# KiCad board frontpanel_dev_adapter.kicad_pcb (continued)
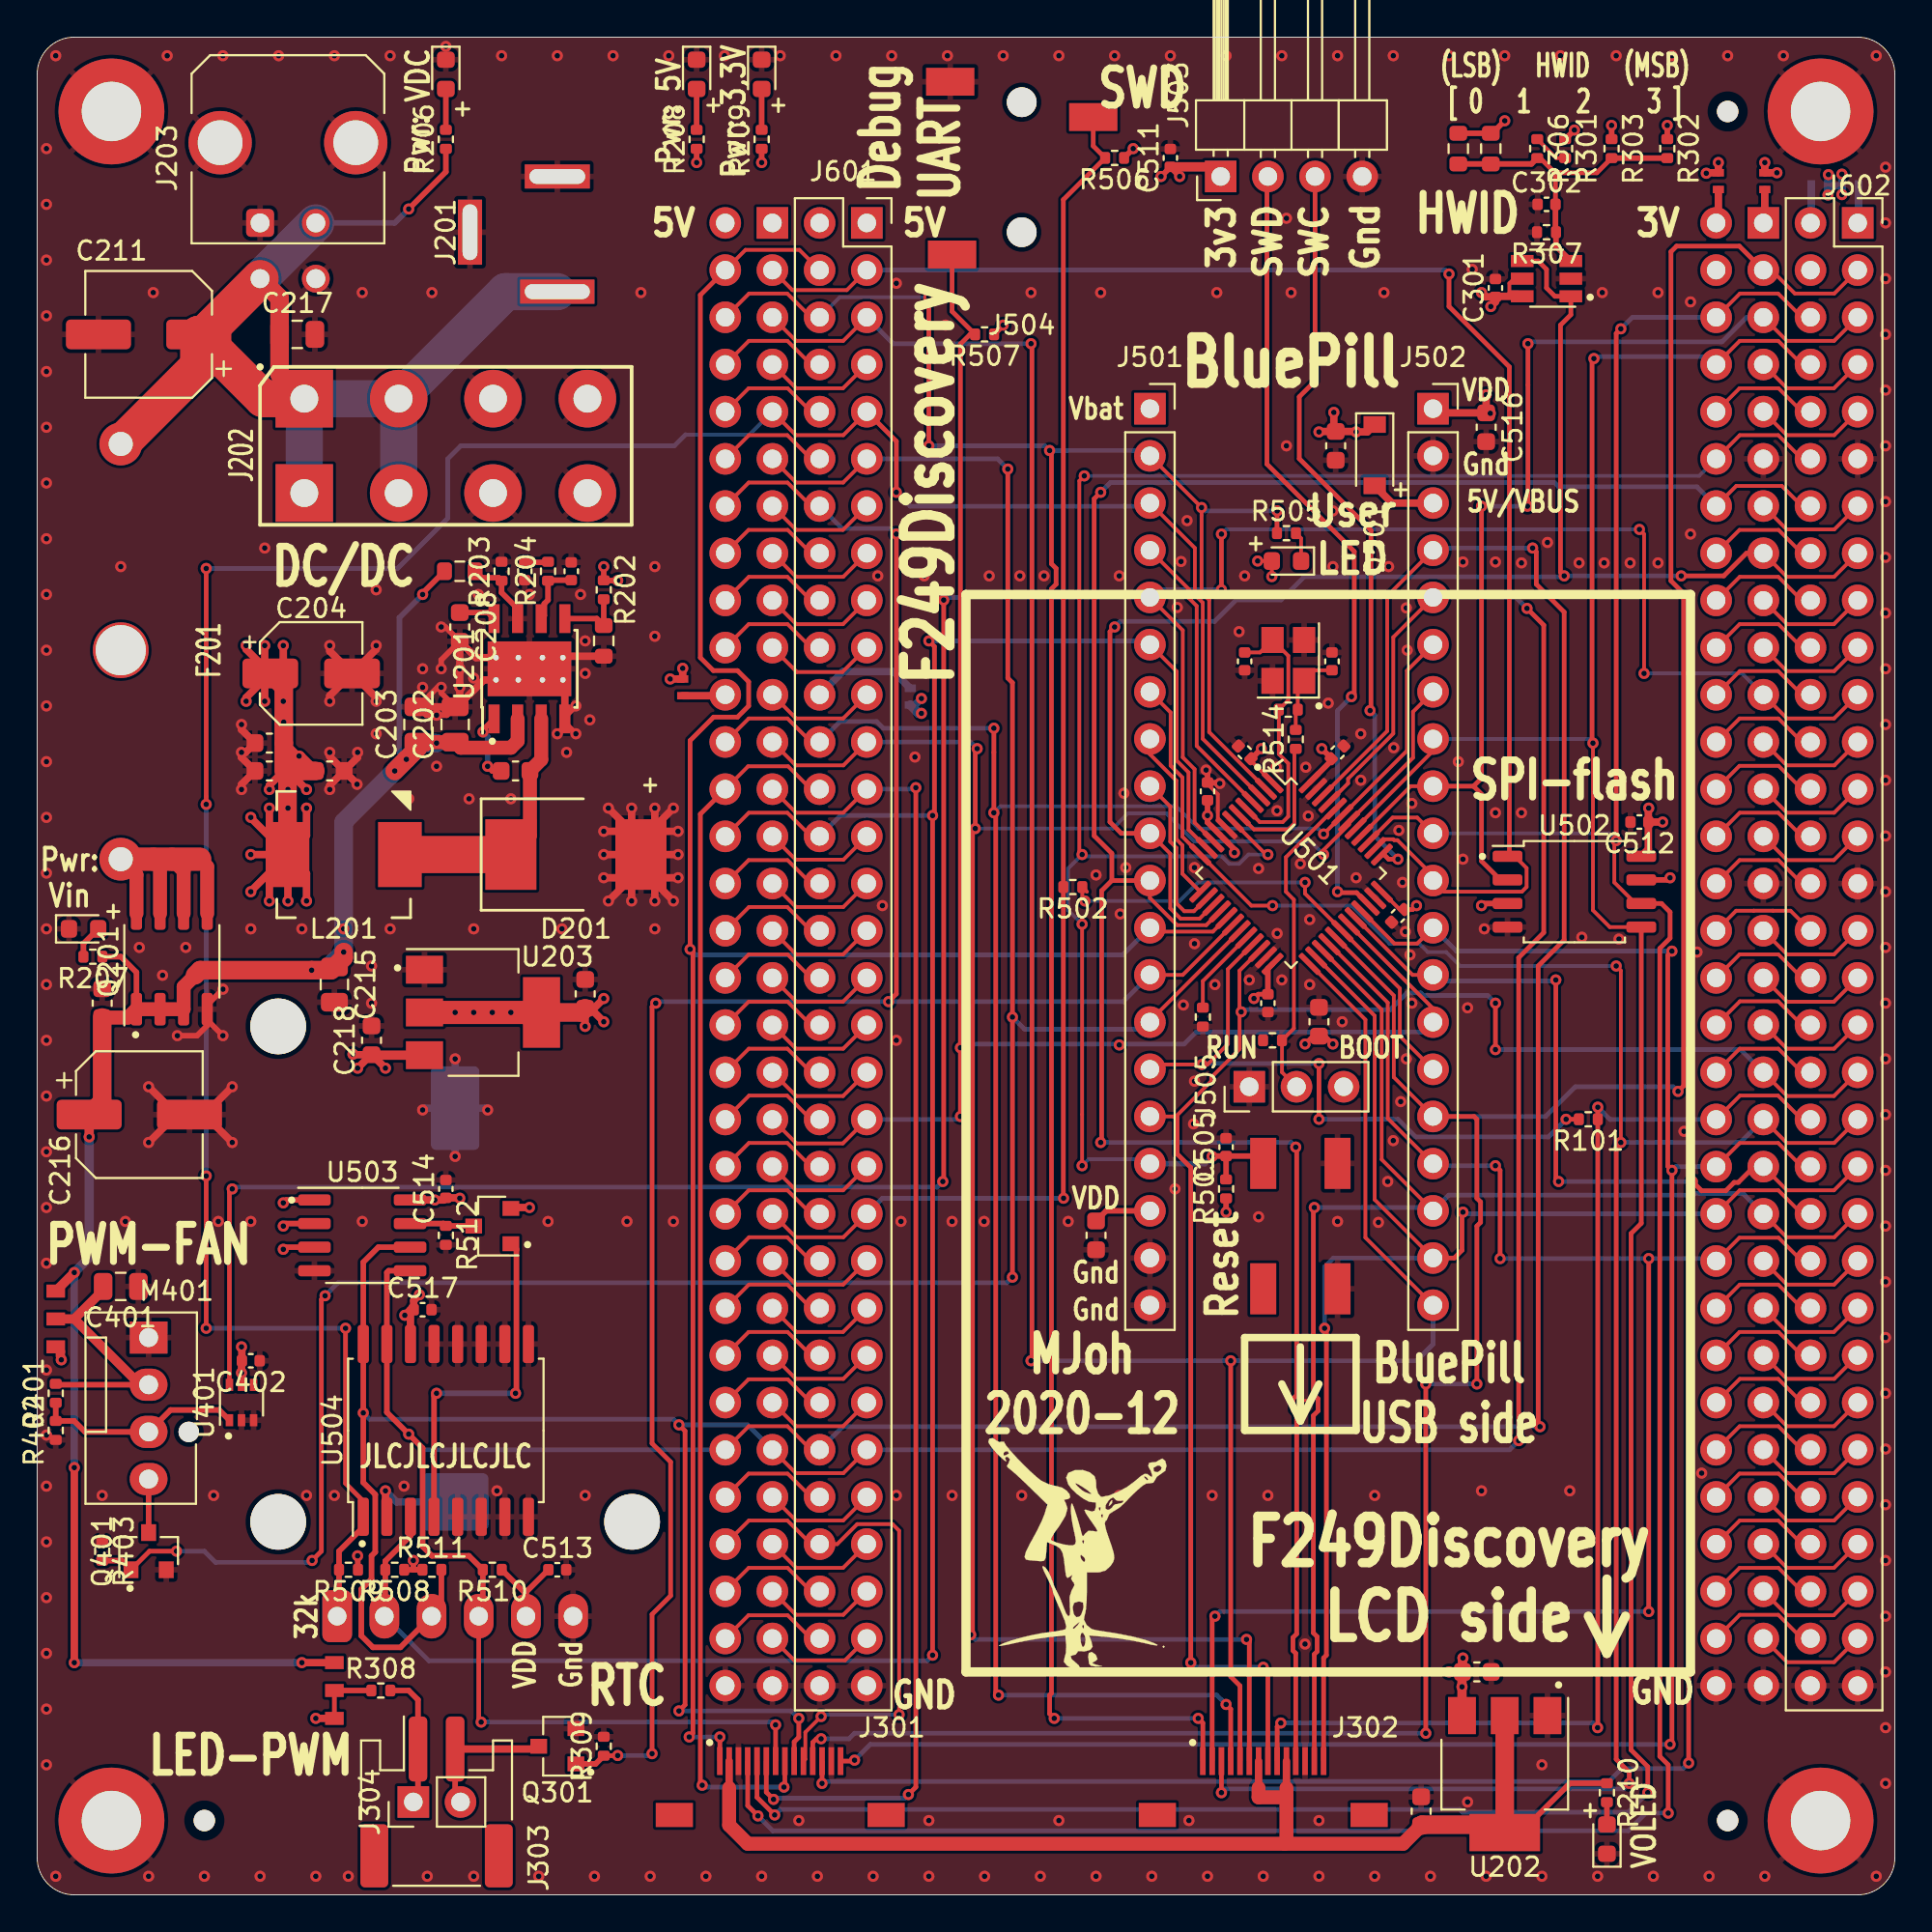
[diagram p0: board, top side]
## Routing (per net, layer and track width the routed paths; a pad name or vN(x,y) marks a point on that pad's centre or on a via; arc(x,y) is an arc through that point) (continued)
FAN1_RPM: length 156.6
  Top w0.2: v1(86.5,65.75) 86.5,73.25 v1(86.25,73.5) ; J604.21 94.19,63.33 96.72,63.33 J602.21 ; U501.10 62.3,57.72 62.3,60.6 61.67,61.23 61.67,68.07 J501.5
  Top w0.25: v1(10.5,38) 10.35,37.85 U401.6 ; v1(63.75,70.25) v1(63.75,73.25) ; v1(48.8,69.7) 48.8,38.45 v1(48.75,38.4)
  Bottom w0.2: v1(86.25,73.5) 64,73.5 v1(63.75,73.25) ; v1(86.5,65.75) 91.77,65.75 J604.21
  Bottom w0.25: v1(63.75,70.25) 60.31,70.25 J501.5 48.94,69.84 v1(48.8,69.7) ; v1(48.75,38.4) 48.45,38.1 10.6,38.1 v1(10.5,38)
FP_ENC2_A: length 72.8
  Top w0.2: J601.25 43.39,58.25 40.85,58.25 J603.25
  Top w0.25: v1(46.9,5.4) 47.3,5.8 v1(47.3,59.6) ; J301.6 39.25,5.53 v1(39.64,5.14)
  Bottom w0.25: v1(46.9,5.4) 46.7,5.2 39.7,5.2 v1(39.64,5.14) ; J601.25 47.22,59.52 v1(47.3,59.6)
FP_ENC2_B: length 66.2
  Top w0.2: J601.26 41.66,59.52 40.42,60.75 38.27,60.75 J603.26
  Top w0.25: J301.8 40.25,5.85 v1(40.2,5.8) ; J603.26 35.7,58.18 35.7,6 v1(35.8,5.9)
  Bottom w0.25: v1(40.2,5.8) 35.9,5.8 v1(35.8,5.9)
FP_ENC_A: length 112.8
  Top w0.2: J502.7 74.06,63.68 74.06,61.21 U501.42 70.62,57.62 69.25,56.25 v1(69.25,56) ; J601.23 43.4,60.8 40.84,60.8 J603.23
  Top w0.25: v1(50.25,14) 50.35,14.1 50.35,57.25 v1(50.5,57.4) 50.5,61.6 v1(50.6,61.7) ; v1(65.1,13.75) 65.25,13.6 J302.6
  Bottom w0.2: v1(50.5,57.4) 57.9,57.4 58.72,58.22 60.78,58.22 62.3,56.7 68.55,56.7 v1(69.25,56)
  Bottom w0.25: v1(65.1,13.75) 50.5,13.75 v1(50.25,14) ; J601.23 50.24,62.06 v1(50.6,61.7)
FP_ENC_B: length 115
  Top w0.2: J603.24 38.31,63.33 40.39,63.33 41.66,62.06 J601.24 ; v1(69.25,57.1) U501.43 73.74,61.59 73.74,65.9 J502.6
  Top w0.25: J302.4 64.25,10 v1(64,10.25) ; v1(51.75,10.75) 51.6,10.9 51.6,58.15 v1(51.5,58.25) v1(51.5,62.8)
  Bottom w0.2: v1(69.25,57.1) 68.95,57.4 62.51,57.4 61.31,58.6 51.85,58.6 v1(51.5,58.25)
  Bottom w0.25: v1(64,10.25) 63.5,10.75 v1(51.75,10.75) ; v1(51.5,62.8) 45.55,62.8 45.19,63.16 43.22,63.16 J601.24
HWID_FP: length 127.3
  Top w0.2: J602.14 95,74.76 93.92,75.84 91.46,75.84 J604.14 ; J501.11 59.9,53.66 61.36,52.2 62.93,52.2 U501.16
  Top w0.25: v1(57.25,40.5) 57.3,40.55 57.3,54.05 57.85,54.6 ; 57.85,54.6 J501.11 ; 57.85,54.6 57.85,56.06 56.9,57.01 56.9,75.15 v1(57.25,75.5) ; v1(67.75,40.25) 67.8,40.2 67.8,26.9 67.6,26.7 67.6,26.1 67.8,25.9 67.8,14.05 67.6,13.85 67.6,13.15 67.75,13 J302.11
  Bottom w0.25: v1(67.75,40.25) 67.5,40.5 v1(57.25,40.5) ; J604.14 89.34,75.8 81.9,75.8 81.68,76.02 57.77,76.02 v1(57.25,75.5)
HWID_MB: length 82.5
  Top w0.2: 59.9,57.03 J501.10 61,56.04 61,53.1 61.55,52.55 62.58,52.55 U501.15 ; J604.15 94.19,70.95 96.73,70.95 J602.15
  Top w0.25: J604.15 92.01,72.22 90.79,71 v1(88.5,71) ; U301.4 80.8,87.95 81.25,87.5 81.25,86.5 81.7,86.05 U301.1 82.56,85.06 82,84.5 82,71.2 v1(82.2,71) ; v1(58,68.25) 57.75,68 57.75,57.75 58.36,57.14 J501.10
  Bottom w0.25: v1(88.5,71) v1(82.2,71) 82.15,70.95 68.2,70.95 66.96,69.71 64.54,69.71 63.38,68.55 58.3,68.55 v1(58,68.25)
I2C1_SCL: length 184.3
  Top w0.2: J601.53 43.4,22.7 40.84,22.7 J603.53 ; U501.45 70.57,59.84 70.57,60.08 73,62.51 73,67.7 J502.5
  Top w0.25: v1(79.75,24.45) 79.75,50.45 81.1,51.8 81.1,68.35 v1(80.2,69.25) ; v1(34.55,25.3) 34.88,24.97 34.88,10.23 v1(34.55,9.9) ; J301.9 40.75,8.23 41,8.48 v1(41,9.5)
  Top w0.3: R511.2 21.76,15.53 RTC501.3 19.55,13.32 18.07,13.32 17.45,13.95 17.45,16.45 18,17 18,18.25 18.2,18.45 18.2,21.55 17.56,22.19 v1(17.56,25.94) U504.16 17.56,34.06 18.36,34.86 U503.6
  Bottom w0.25: J502.5 79.61,69.84 v1(80.2,69.25) ; v1(41,9.5) 40.6,9.9 v1(34.55,9.9) ; J601.53 79.26,23.96 v1(79.75,24.45) ; v1(17.56,25.94) 17.9,25.6 34.25,25.6 v1(34.55,25.3) 38.24,25.3 J603.53
I2C1_SDA: length 179.3
  Top w0.2: J603.54 38.31,25.22 40.39,25.22 41.66,23.96 J601.54 ; U501.46 72.67,62.65 72.67,69.91 J502.4
  Top w0.25: v1(23.9,9.3) 23.77,9.43 RTC501.4 ; J301.7 v1(39.75,9.15) ; v1(80.5,72.5) 80.7,72.3 80.7,70.55 82.2,69.05 82.2,51.4 80.8,50 80.8,25.3 v1(80.9,25.2)
  Top w0.3: U503.5 18.92,33.59 18.83,33.5 U504.15 18.83,25.97 v1(20,24.8) 20.75,24.05 20.75,18.75 21.25,18.25 23.24,18.25 R510.2 23.99,15.22 RTC501.4
  Bottom w0.25: v1(80.5,72.5) 75.26,72.5 J502.4 ; v1(20,24.8) 20.84,23.96 J603.54 ; v1(23.9,9.3) 39.6,9.3 v1(39.75,9.15) ; v1(80.9,25.2) 43.36,25.2 J601.54
PWRBTN_LED_PWM: length 114.7
  Top w0.2: U501.18 61.67,49.52 J501.13 ; J601.14 41.66,74.76 40.39,76.03 38.31,76.03 J603.14
  Top w0.25: v1(33.3,48) 33.1,47.8 33.1,24.3 34.1,23.3 34.1,16.1 33.1,15.1 v1(33.1,7.6) ; R309.1 31.24,7.49 v1(31.25,7.5) ; v1(45.83,48.08) 46.25,48.5 v1(46.25,73.25)
  Top w0.3: Q301.1 30.06,7.05 R309.1
  Bottom w0.25: v1(33.1,7.6) 33,7.5 v1(31.25,7.5) ; J601.14 43.33,73.55 45.95,73.55 v1(46.25,73.25) ; J501.13 58.46,48.08 v1(45.83,48.08) 33.38,48.08 v1(33.3,48)
VMAIN: length 70
  Top w0.25: JP301.1 JP301.2
  Top w0.3: JP301.2 R308.1 ; v1(30.5,71.5) R202.1 30.51,70.75 v1(31.25,70.75) ; R208.1 v1(35.5,93.25)
  Top w0.4: v1(12.5,53.5) 12.5,55.03 L201.2 ; C204.1 12.25,66.05 v1(12.25,67.25) ; C204.1 11.25,67.05 v1(11.25,67.25) ; C204.1 13.25,66.45 v1(13.25,67.25) ; C204.1 11.25,64.45 v1(11.25,64.25) ; C204.1 12.25,65.45 v1(12.25,64.25) ; C510.1 70.97,78.78 v1(71,78.75) 71.6,78.75 D501.1 ; C510.1 69.03,78.78 v1(69,78.75) ; C510.1 69.8,78.88 v1(69.8,79.8) ; L201.2 14.5,57.03 v1(14.5,58.5) ; L201.2 12.5,56.97 v1(12.5,58.5) ; L201.2 13.5,55.97 v1(13.5,53.5) ; L201.2 v1(11.5,56) ; L201.2 11.5,54.03 v1(11.5,54) ; L201.2 14.5,54.97 v1(14.5,53.5) ; L201.2 11.5,57.97 v1(11.5,58) ; v1(17.25,44.5) 17.97,45.22 C218.1 ; v1(17,45.25) 17.03,45.22 C218.1 ; 13.52,60.5 13.52,60.47 v1(14.5,59.5) ; C218.1 18.03,45.22 v1(18.75,44.5) ; C218.1 18.03,45.2 ; C207.1 12.5,59.72 v1(12.5,59.5) ; JP301.1 v1(15,9.5)
  Top w0.5: 1.25,29 1.25,29.25 JP401.1 ; v1(14.1,61.3) 13.48,60.67 13.48,60.45 ; v1(14.1,61.3) 13.98,61.3 C206.1 ; v1(14.1,61.3) 14.17,61.3 C205.1 ; C212.1 76.7,11.97 v1(76.7,11.2) U202.3 ; C212.1 76.72,12.72 v1(76.75,12.75) ; C212.1 v1(76,12) ; U203.3 18.03,45.2
  Top w1: C205.1 13.52,60.5 13.48,60.45 L201.2 ; C204.1 13.27,65.03 v1(13.27,63.12) C206.1 C207.1
  vias: v1(1.3,28.8) v1(13.25,64.25) v1(13.5,59.5) v1(13.5,58.5)
~{AUX_INTn}: length 117.4
  Top w0.2: J604.39 94.19,40.47 96.74,40.47 J602.39 ; v1(66.5,53.25) 65.36,53.25 U501.12 61.65,56.96 61.65,60.15 61.01,60.79 61.01,63.65 J501.7 ; v1(85,50) 85.25,49.75 v1(85.25,40.5)
  Top w0.25: v1(85.7,6) 85.7,6.6 85,7.3 85,40.25 v1(85.25,40.5) ; J302.3 v1(63.75,5.5)
  Bottom w0.2: v1(85,50) 76.6,50 75.85,50.75 74.86,50.75 74.41,51.2 72.8,51.2 70.75,53.25 v1(66.5,53.25)
  Bottom w0.25: v1(85.7,6) 85.4,5.7 63.95,5.7 v1(63.75,5.5) ; v1(85.25,40.5) 91.68,40.5 J604.39
~{DISP_CSn}: length 155.7
  Top w0.2: J602.3 96.74,86.2 94.62,86.2 93.35,87.46 J604.3 ; U501.29 73.03,48.41 73.03,44.01 J502.16
  Top w0.25: v1(74.75,8.7) v1(74.75,27.5) ; v1(88.33,43.25) 88.63,43.55 88.63,70.05 87.95,70.74 87.95,88.45 88.25,88.75 91.63,88.75 J604.3 ; v1(42.2,8.4) 41.95,8.4 41.75,8.2 J301.11 ; J502.16 77.35,41.9 77.5,41.75 77.5,37.5 77.7,37.3 77.7,36.2 77.5,36 v1(77.5,27.5)
  Bottom w0.25: v1(88.33,43.25) 88.08,43.5 82.8,43.5 81.2,41.9 J502.16 ; v1(74.75,27.5) v1(77.5,27.5) ; v1(74.75,8.7) 44,8.7 43.7,8.4 v1(42.2,8.4)
~{FLASH_CSn}: length 82.2
  Top w0.2: U502.1 79.54,55.91 80.18,55.27 80.18,54.25 79.92,54 75.74,54 J502.11 75.14,54.86 73.23,56.77 73.05,56.77 73,56.82 72.5,56.82 U501.38 ; J601.3 43.58,86.38 40.66,86.38 J603.3
  Top w0.25: v1(76,87.25) 76,85.5 79.25,82.25 79.25,56 U502.1
  Bottom w0.25: J601.3 75.79,87.46 v1(76,87.25)
~{FP_BTN_1An}: length 114.8
  Top w0.2: J502.12 74.29,51.21 73.06,51.21 U501.33 ; J602.42 95,39.2 93.72,40.47 91.66,40.47 J604.42
  Top w0.25: v1(44,7.25) 43.95,7.2 J301.14 ; v1(88,50.8) 87.78,50.58 87.78,39.22 v1(88,39) 88,8.2 v1(87.9,8.1)
  Bottom w0.25: J502.12 76.4,50.8 v1(88,50.8) ; J604.42 88.2,39.2 v1(88,39) ; v1(44,7.25) 44.85,8.1 v1(87.9,8.1)
~{FP_BTN_1Bn}: length 120.7
  Top w0.2: J502.13 74.04,49.52 U501.32 ; J604.41 94.19,37.92 96.72,37.92 J602.41
  Top w0.25: J301.12 v1(42.25,6) ; v1(88.9,7.1) 88.9,38.2 v1(89.1,38.4) 89.6,37.9 90.9,37.9 91.35,38.35 91.57,38.35 92.42,39.2 J604.41 ; v1(81.75,49.25) 81.75,38.55 v1(81.9,38.4)
  Bottom w0.25: v1(42.25,6) 42.35,6.1 84.6,6.1 85.3,6.8 88.6,6.8 v1(88.9,7.1) ; J502.13 75.46,49.2 81.7,49.2 v1(81.75,49.25) ; v1(81.9,38.4) v1(89.1,38.4)
~{FP_BTN_2An}: length 75.1
  Top w0.2: J502.19 72,37.42 72,47.32 U501.26 ; J604.44 91.65,37.92 93.73,37.92 95,36.66 J602.44
  Top w0.25: v1(76.75,36.75) 76.7,36.7 76.7,34.7 76.28,34.28 J502.19 ; J302.14 69.25,12.75 69.4,12.9 69.4,30.4 v1(69.3,30.5)
  Bottom w0.25: J502.19 69.78,34.28 69.3,33.8 v1(69.3,30.5) ; v1(76.75,36.75) 76.84,36.66 J604.44
~{FP_BTN_2Bn}: length 77.8
  Top w0.2: J604.43 94.18,35.4 96.74,35.4 J602.43 ; U501.27 72.38,47.65 72.38,39.58 J502.18
  Top w0.25: v1(68.75,37) 68.7,36.95 68.7,26.95 68.95,26.7 68.95,26.05 68.7,25.8 68.7,14.1 68.9,13.9 68.9,13.1 68.75,12.95 J302.13
  Bottom w0.25: J604.43 91.82,37.76 89.21,37.76 89.11,37.66 75.98,37.66 J502.18 74.96,37 v1(68.75,37)
~{FP_ENC2_SWn}: length 27.9
  Top w0.2: J603.58 38.31,20.15 40.39,20.15 41.66,18.88 J601.58 43.07,18.88 44.14,19.96 46.04,19.96 46.4,19.6 v1(46.4,9.7) ; v1(42.2,9.6) 41.35,8.75 41.35,7.3 J301.10
  Bottom w0.2: v1(46.4,9.7) 42.3,9.7 v1(42.2,9.6)
~{FP_ENC_SWn}: length 90.8
  Top w0.2: J604.46 91.63,35.38 93.74,35.38 95,34.12 J602.46 ; U501.28 72.7,48.03 72.7,41.8 J502.17
  Top w0.25: v1(78.75,34.25) 78.75,39 v1(78.5,39.25) ; J302.2 63.25,14.85 v1(63.4,15) ; v1(86.75,34.25) v1(86.75,15.25)
  Bottom w0.25: v1(86.75,15.25) 63.65,15.25 v1(63.4,15) ; v1(78.75,34.25) v1(86.75,34.25) 90.25,34.25 J604.46 ; v1(78.5,39.25) 75.25,39.25 J502.17
~{RSTn}: length 103.1
  Top w0.2: v1(56.25,52.25) v1(56.25,39.25) ; J604.12 91.66,78.58 93.72,78.58 95,77.3 J602.12 ; v1(66.25,56) 66.15,56 U501.7 ; v1(56.37,76.38) 56.1,76.12 56.1,56.15 v1(56.25,56)
  Top w0.3: C505.1 63.27,39.77 v1(63.25,39.75) ; C505.1 65.61,39.77 SW501.2 ; C505.1 R501.2
  Bottom w0.2: v1(66.25,56) 65.2,56 64.7,55.5 64.17,55.5 63.78,55.9 56.35,55.9 v1(56.25,56) 55.5,55.25 55.5,53 v1(56.25,52.25) ; J501.17 59.66,39.6 56.6,39.6 v1(56.25,39.25) ; v1(56.37,76.38) 89.46,76.38 J604.12
  Bottom w0.3: J501.17 62.86,39.36 v1(63.25,39.75)
~{RTC_INTn}_SQW: length 128.2
  Top w0.2: U501.11 61.98,57.34 61.98,60.42 61.34,61.06 61.34,65.86 J501.6 ; J603.28 38.31,58.25 40.39,58.25 41.66,56.98 J601.28
  Top w0.25: v1(48.2,12.9) v1(48.2,58.1) 48.3,58.2 48.3,67.2 v1(48,67.5)
  Top w0.3: U504.3 20.09,19.32 18.74,17.97 R508.2 18.74,15.05 RTC501.2
  Bottom w0.25: v1(48.2,58.1) 43.24,58.1 J601.28 ; v1(48,67.5) 59.7,67.5 J501.6 ; RTC501.2 21.09,12.6 47.9,12.6 v1(48.2,12.9)
~{SYS_RSTn}: length 137.3
  Top w0.2: U501.25 71.5,47.11 71.5,35.38 J502.20 ; J603.5 40.85,83.65 43.39,83.65 J601.5
  Top w0.25: v1(53.5,28.75) 53.55,28.8 53.55,83.45 v1(53.5,83.5) ; v1(64.25,28.75) 64.25,11.75 64.75,11.25 J302.5
  Bottom w0.25: v1(53.5,28.75) v1(64.25,28.75) 74.25,28.75 75.14,29.64 J502.20 ; v1(53.5,83.5) 46.08,83.5 J601.5
Net-(C201-Pad1): length 15.9
  Top w0.3: 22.75,69.03 24.27,69.03 U201.8
  Top w0.75: 27.14,63.3 27.14,61.11 C201.1 26.53,57.03 D201.1
  Top w2: D201.1 L201.1
Net-(C201-Pad2): length 3.7
  Top w0.3: C201.2 24.5,60.5 v1(24.25,60.75) ; v1(24,62.6) 24,62.7 U201.1
  Bottom w0.3: v1(24.25,60.75) 24.25,62.35 v1(24,62.6)
Net-(C209-Pad1): length 3.5
  Top w0.3: U201.6 27.3,68.86 27.3,69.5 27.5,69.7 R204.1 27.53,70.77 C209.1
Net-(C210-Pad1): length 1.3
  Top w0.3: R204.2 27.47,71.73 C210.1
Net-(C302-Pad2): length 17.1
  Top w0.25: R303.2 83.96,92.7 81.7,92.7 ; R306.2 80.91,93.49 81.7,92.7 ; 81.73,89.53 R307.1 ; C302.2 81.73,92.67 81.7,92.7
  Top w0.3: C302.2 81.73,89.53 ; R306.2 80.44,93.17 R304.2 R305.2 ; R307.1 81.76,88.75 U301.3 ; R302.2 R303.2
Net-(C401-Pad2): length 13.9
  Top w0.3: M401.2 1.05,27.46 R401.2
  Top w0.5: M401.2 5.54,27.46 2,31 ; 2,31 JP401.2 ; 2,31 3.55,32.55 C401.2
Net-(C506-Pad1): length 14.7
  Top w0.2: C506.1 65.83,66.88 Y501.3 67.35,66.7 67.35,64.31 R503.1 66.84,61.41 67.35,60.9 67.35,58.05 67.05,57.75 65.81,57.75 U501.5
Net-(C508-Pad1): length 4.6
  Top w0.2: C508.1 68.77,65.92 Y501.1 67.86,65.01 R503.2 67.75,63.69 R514.2
Net-(D202-Pad2): length 2.2
  Top w0.3: R206.2 D202.2
Net-(D203-Pad2): length 1.8
  Top w0.3: D203.2 2.49,51.2 R207.2
Net-(D204-Pad2): length 2.2
  Top w0.3: D204.2 R208.2
Net-(D205-Pad2): length 2.2
  Top w0.3: D205.2 R209.2
Net-(D206-Pad2): length 1.2
  Top w0.3: R210.2 D206.2
Net-(D501-Pad2): length 3.5
  Top w0.4: D501.2 72.93,74.92 J502.3
Net-(D502-Pad1): length 1.6
  Top w0.2: D502.1 68.04,73.02 R505.2
Net-(F201-Pad2): length 16.9
  Top w0.75: F201.2 5.34,54.91 Q201.8 ; Q201.5 9.16,55.34 8.75,55.75 ; 6.25,55.75 6.62,55.39 Q201.7 ; 7.25,55.75 7.88,55.11 Q201.6
  Top w1.25: 8.75,55.75 F201.2
Net-(J303-Pad1): length 7.3
  Top w0.3: J304.1 20.5,5.25 J303.1 20.5,10.5 20,11 R308.2
Net-(J303-Pad2): length 7.5
  Top w0.3: J304.2 22.5,5.29 J303.2
  Top w0.4: Q301.3 26.85,7.85 J303.2
Net-(J505-Pad2): length 16.9
  Top w0.2: J505.2 67.01,44.28 67.01,46 67.65,46.64 67.65,53.57 67.22,54 67.22,55.86 69.84,58.47 U501.44
Net-(J601-Pad22): length 5.8
  Bottom w0.4: JP603.1 46.1,65.85 43.37,65.85 J601.22
Net-(J602-Pad1): length 2
  Bottom w0.4: JP601.2 98.05,90.05 J602.1
Net-(J602-Pad2): length 2
  Bottom w0.4: JP602.1 95.5,90.04 J602.2
Net-(J603-Pad22): length 2.3
  Top w0.4: J603.22 36.99,64.55 JP606.1
Net-(J604-Pad1): length 1.8
  Top w0.4: JP604.2 93,90.08 J604.1
Net-(J604-Pad2): length 1.8
  Top w0.4: J604.2 90.5,90.12 JP605.1
Net-(M401-Pad3): length 11.3
  Top w0.3: U401.1 9.8,26.1 7.18,26.1 M401.3 2.58,24.92 1.99,25.51 R402.2 R401.1
Net-(M401-Pad4): length 2.9
  Top w0.3: Q401.3 M401.4
Net-(R201-Pad2): length 4
  Top w0.3: R201.2 23.92,70.9 24.84,70.9 R203.1 25,70.1 25.86,69.23 25.86,68.7
Net-(R202-Pad2): length 3.7
  Top w0.3: U201.5 30.12,68.7 R205.1 R202.2
Net-(R301-Pad2): length 1.9
  Top w0.2: R306.1 81.77,93.49 R301.2
Net-(R504-Pad1): length 4.7
  Top w0.2: U501.20 62.75,49.19 R504.1
Net-(R514-Pad1): length 7.4
  Top w0.2: R514.1 67.68,61.62 67.68,57.68 67.35,57.35 65.5,57.35 U501.6

## Copper pours and planes (outline as drawn; the poured copper is in the pictures)
GND on Top: 100,0 0,0 0,100 100,100
GND on In2.Cu: 100,0 0,0 0,100 100,100
VDD on In1.Cu: 100,0 0,0 0,100 100,100
VMAIN on Bottom: 100,0 0,0 0,100 100,100

## Text on the board
B.Silkscreen: 3.3V | SWDT | SWCK | GND | ca 7-14V | Frontpanel FFC / to MCU adapter
F.Silkscreen: + | (LSB)   HWID   (MSB) / [ 0   1    2     3 ] | Vbat | VDD | Gnd | RUN | BOOT | 5V/VBUS | 32k | JLCJLCJLCJLC | Pwr: / Vin | Pwr: VDC | Pwr: 5V | Pwr: 3,3V | VOLED | GND | 5V | 3V | 3v3 | SWD | SWC | User / LED | Reset | BluePill / USB side | PWM-FAN | LED-PWM | DC/DC | RTC | MJoh / 2020-12 | HWID | SPI-flash | Debug / UART | BluePill | F249Discovery / LCD side | F249Discovery
